# Altium PCB Spektrop2_Processor_Board_V1.PcbDoc (part 3 of 4) (continued)
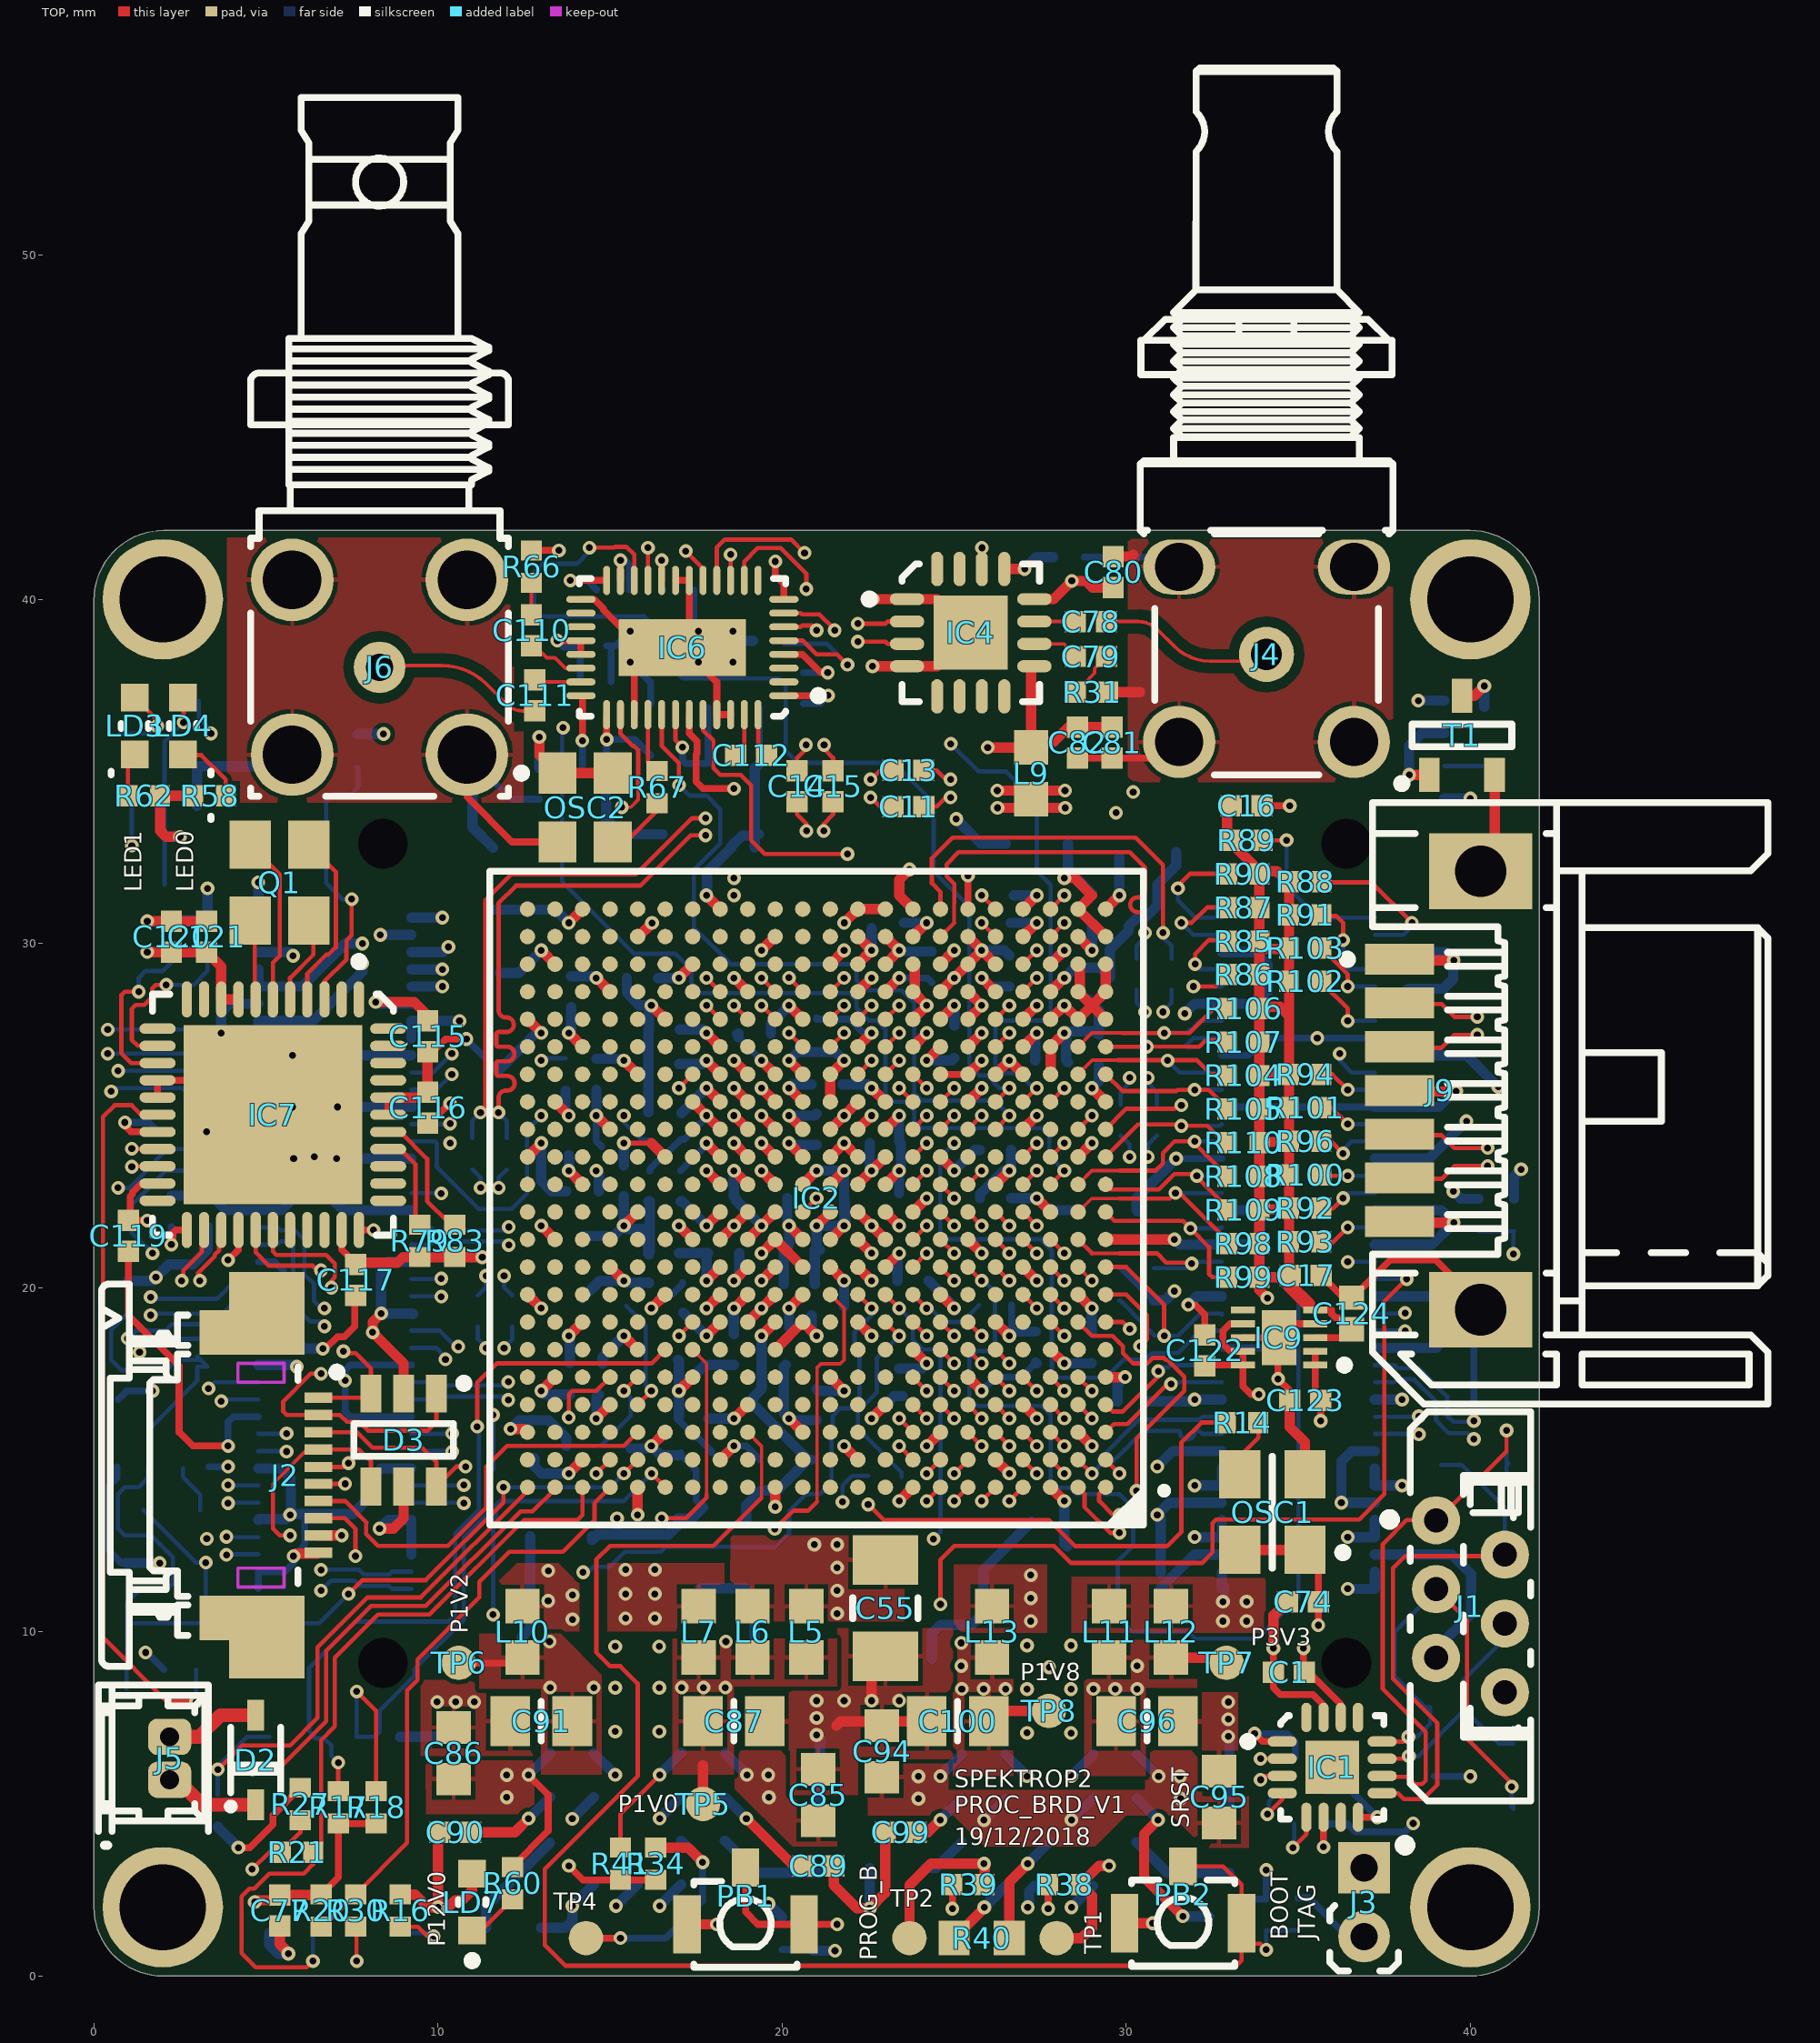
[diagram p0: TOP view]
## Nets (pads, with @x,y where several pads share a name; then routed paths per layer and width w, separated by ;. In a path a pad name is that pad's centre, name@x,y a point inside that pad or via, vN(x,y) a via of type N, cw(c..) or ccw(c..) an arc to the next point about the centre after c; other vN are vias at no path point) (continued)
  other v1: 27.115,7.065 28.395,7.06 15.15,7.105 16.43,7.1 32.965,7.46 21,7.5 9.975,7.961 10.513,7.961 11.05,7.961 32.965,7.96 21,8 21.8,8 23.4,8 27.115,8.335 28.395,8.335 15.15,8.375 16.43,8.375 27.76,8.97 15.15,9.575 16.425,9.575 27.115,9.605 28.395,9.605 17.564,38.171 18.564,38.171
GND_ADC: C102.2 C103.2 IC2.K11 IC2.L11 IC2.M11 IC2.M12 L2.1 | length 8.1
  TOP w0.3: IC2.M12@20.599,23 v1(20.999,23.4) ; v1(20.999,21.8) IC2.L11@21.399,22.2 ; IC2.K11@21.399,21.4 v1(21.799,21.8) ; IC2.M11@21.399,23 v1(21.799,23.4)
  BTM w0.3: C102.2@20.95,20.1 C103.2@20.95,21.1 C103.2@21.1,21.1 ; C103.2@20.999,21.149 v1(20.999,21.8) v1(21.799,21.8) 21.798,22.6 21.798,22.649 21.801,22.597 21.849,21.803 v1@21.849,21.8 ; v1(20.999,23.4) v1(21.799,23.4) L2.1@21.799,22.65
GS12281_GPIO0: IC2.P6 IC6.36 | length 18.7
  TOP w0.125: IC6.36@17.7,36.65 17.7,36.2 18,35.9 18,35.1 18.2,34.9 18.8,34.9 19.1,34.6 19.1,33 19.5,32.6 v1(21.9,32.6) ; IC2.P6@25.399,24.6 v1(25.799,25)
  L2 w0.125: v1(21.9,32.6) 22.6,32.6 23.5,31.7 25.161,31.7 25.362,31.499 25.362,26.011 25.362,25.437 v1(25.799,25)
GS12281_GPIO1: IC2.P5 IC6.33 | length 21.2
  TOP w0.125: IC6.33@16.5,36.65 16.5,35.741 17,35.241 v1(17,34.6) ; IC2.P5@26.199,24.6 v1(26.599,25)
  BTM w0.125: v1(17,34.6) 17.3,34.3 17.8,34.3 18.2,33.9 18.2,32.9 17.437,32.137 17.437,30.463 18.5,29.4 22,29.4 22.162,29.238 22.162,28.924 22.449,28.637 23.474,28.637 23.837,28.275 23.837,25.649 24.049,25.437 26.162,25.437 v1(26.599,25)
GS12281_GPIO2: IC2.R5 IC6.18 | length 30.7
  TOP w0.125: v1(14.4,41.5) 15.117,41.5 15.139,41.523 15.478,41.523 15.7,41.3 IC6.18@15.7,40.55 ; IC2.R5@26.199,25.4 v1(26.599,25.8)
  BTM w0.125: v1(14.4,41.5) 14.4,41.4 14.033,41.033 13.033,41.033 12.8,40.8 12.8,39.7 13,39.5 16,39.5 16.5,39 16.5,38.3 17.1,37.7 19.9,37.7 20.1,37.5 20.1,35.6 20.45,35.25 23.25,35.25 24.4,34.1 24.4,32.1 25.437,31.063 25.437,26.449 25.724,26.162 25.949,26.162 26.312,25.8 v1(26.599,25.8)
GS12281_GPIO3: IC2.R4 IC6.17 | length 29.2
  TOP w0.125: IC6.17@16.1,40.55 v1(16.1,41.5) ; IC2.R4@26.999,25.4 v1(27.399,25.8)
  L2 w0.125: v1(16.1,41.5) 16.1,40.9 16.3,40.7 20.3,40.7 20.312,40.712 21.512,40.712 21.6,40.8 23.6,40.8 24.9,39.5 v1(24.9,35.8)
  BTM w0.125: v1(24.9,35.8) 25.7,35 26.5,35 27.4,34.1 27.4,32.1 27.8,31.7 27.8,27.9 27.662,27.762 26.362,27.762 26.2,27.6 26.2,26.486 26.449,26.237 26.862,26.237 27.299,25.8 v1(27.399,25.8)
GS12281_nCS: IC2.M4 IC6.10 | length 26.2
  TOP w0.125: IC6.10@18.9,40.55 18.9,41.1 19.288,41.488 19.961,41.488 20.7,40.748 v1(20.7,40.3) ; IC2.M4@26.999,23 v1(27.399,23.4)
  L2 w0.125: v1(20.7,40.3) 19.2,38.8 19.2,36.336 21.836,33.7 23.4,33.7 24.6,32.5 25.5,32.5 26.2,31.8 26.2,29.3 27,28.5 27,23.799 v1(27.399,23.4)
GS12281_SCLK: IC2.M3 IC6.13 | length 33.7
  TOP w0.125: v1(17.2,41.4) v1(17.2,41.4) 17.7,40.902 IC6.13@17.7,40.55 ; IC2.M3@27.799,23 v1(28.199,23.4)
  L5 w0.125: v1@13.631,36.431 v1(13.631,36.269) 14.463,37.1 15.7,37.1 16.7,38.1 16.7,39.6 17.2,40.1 v1(17.2,41.4)
  BTM w0.125: v1(13.631,36.269) 13.6,36.237 13.6,31.8 15.7,29.7 16.9,29.7 17.362,29.238 17.362,28.838 17.638,28.562 21.949,28.562 22.162,28.35 22.162,28.124 22.524,27.762 22.749,27.762 23,27.511 23,25.6 23.2,25.4 23.573,25.4 23.837,25.136 23.837,24.849 24.049,24.637 27.536,24.637 27.762,24.411 27.762,23.837 v1(28.199,23.4) ; v1@17.2,41.35 v1(17.2,41.4)
GS12281_SDIN: IC2.N4 IC6.11 | length 29.9
  TOP w0.125: IC6.11@18.5,40.55 v1(18.5,41.3) ; IC2.N4@26.999,23.8 v1(27.399,24.2)
  L2 w0.125: v1(18.5,41.3) v1@18.6,41.3 ; v1@18.6,41.252 v1@18.6,41.3 ; v1(27.399,24.2) 27.8,24.6 27.8,34.697 27.75,34.747 27.75,38.95 28.9,40.1 28.9,40.8 28.778,40.922 27.634,40.922 27.208,40.495 26.887,40.495 26.882,40.5 24.4,40.5 23.8,41.1 21,41.1 20.862,40.962 20.489,40.962 19.952,41.5 19.5,41.5 19.3,41.3 v1@18.6,41.3
GS12281_SDOUT: IC2.N3 IC6.12 | length 35
  TOP w0.125: IC6.12@18.112,40.562 IC6.12@18.1,40.55 18.1,41.5 18.338,41.738 20.262,41.738 v1(20.65,41.35) ; IC2.N3@27.799,23.8 v1(28.199,24.2)
  L2 w0.125: v1(20.65,41.35) 23.904,41.35 24.254,41 26.617,41 26.887,41.27 27.208,41.27 27.231,41.246 28.954,41.246 29.6,40.6 29.6,34.452 29.836,34.216 29.836,34.212 33,31.048 33,27.534 30.866,25.4 28.6,25.4 28.199,24.999 v1(28.199,24.2)
INIT_B: IC2.T8 R8.2 | length 24.7
  TOP w0.125: IC2.T8@23.799,26.2 v1(24.199,25.8)
  L5 w0.1: v1(12.999,26.6) 12.999,25.899 12.9,25.8 10.1,25.8 9.7,25.4 9.7,23.9 9.9,23.7 12.597,23.7 13.348,22.95 21.144,22.95 21.214,22.88 23.628,22.88 23.78,23.032 23.78,25.38 v1(24.199,25.8)
  BTM w0.125: v1(12.999,26.6) 13.062,26.663 R8.2@13.7,26.663 ; v1(24.199,25.8) v1@24.309,25.69
LED0: IC2.P7 T4.1 | length 32.2
  TOP w0.125: IC2.P7@24.599,24.6 v1(24.999,25)
  L2 w0.125: v1(1.1,32.842) 1.758,33.5 6.9,33.5 7.2,33.8 8.01,33.8 8.022,33.813 9.387,33.813 10.7,32.5 19.4,32.5 21.438,30.462 21.438,30.449 21.725,30.162 21.949,30.162 22.162,29.95 22.162,25.638 22.4,25.4 24.599,25.4 v1(24.999,25)
  BTM w0.125: v1(1.1,32.842) T4.1@1.1,34
LED1: IC2.R7 T5.1 | length 32
  TOP w0.125: IC2.R7@24.599,25.4 v1(24.999,25.8)
  L2 w0.125: v1(3.4,36.1) 3.4,34.7 4.2,33.9 6.6,33.9 7,34.3 9.6,34.3 10.3,33.6 17,33.6 17.5,34.1 19.15,34.1 20.725,32.525 21.375,32.525 22,31.9 22.9,31.9 23.5,31.3 24.4,31.3 24.6,31.1 24.6,27.5 24.999,27.101 v1(24.999,25.8)
  BTM w0.125: T5.1@3.05,37.05 3.05,36.55 3.4,36.2 v1(3.4,36.1)
MGT_RX0_C_N: C12.2 IC2.AB7 | length 11.7
  TOP w0.125: IC2.AB7@24.599,31 24.599,31.501 24.35,31.75 24.35,32.476 24.949,33.075 30.276,33.075 31.069,32.282 v1(31.069,30.311)
  BTM w0.125: v1(31.069,30.311) 31.069,30.174 31.314,29.929 C12.2@31.314,29.556
MGT_RX0_C_P: C10.2 IC2.AA7 | length 11.7
  TOP w0.1: 24.999,30.6 24.999,31.165
  TOP w0.125: IC2.AA7@24.599,30.2 24.999,30.6 ; 24.999,31.165 24.999,31.731 24.775,31.955 24.775,32.3 25.125,32.65 30.1,32.65 30.544,32.206 30.544,31.6 30.544,31.55 cw(c30.331,31.55) 30.331,31.337 30.326,31.337 ccw(c30.326,31.125) 30.114,31.125 ccw(c30.326,31.125) 30.326,30.912 30.331,30.912 cw(c30.331,30.7) 30.544,30.7 v1(30.544,30.311)
  BTM w0.125: C10.2@30.298,29.556 30.298,29.929 30.544,30.174 v1(30.544,30.311)
MGT_RX0_N: C12.1 J9.3 | length 15.3
  TOP w0.125: J9.3@38.1,26.97 39.162,26.97 39.535,27.343 v1(40.2,27.343)
  L5 w0.1: v1(31.069,28.011) 30.956,28.124 30.956,29.156 31.7,29.9 32.9,29.9 33.5,29.3 36.8,29.3 38.6,27.5 38.9,27.5 39,27.5 cw(c39,27.3) 39.2,27.3 39.2,27.298 ccw(c39.4,27.298) 39.4,27.098 ccw(c39.4,27.298) 39.6,27.298 39.6,27.3 cw(c39.8,27.3) 39.8,27.5 40.043,27.5 v1(40.2,27.343)
  BTM w0.125: v1(31.069,28.011) 31.069,28.038 31.314,28.284 C12.1@31.314,28.656
MGT_RX0_P: C10.1 J9.2 | length 15.3
  TOP w0.125: J9.2@38.1,28.24 39.162,28.24 39.535,27.868 v1(40.2,27.868)
  L5 w0.1: v1(30.544,28.011) 30.656,28.124 30.656,29.28 31.576,30.2 33.024,30.2 33.624,29.6 36.924,29.6 38.724,27.8 40.133,27.8 v1(40.2,27.868)
  BTM w0.125: C10.1@30.298,28.656 30.298,28.284 30.544,28.038 v1(30.544,28.011)
MGT_TX0_C_N: C9.1 IC2.AB3 | length 7.9
  TOP w0.125: IC2.AB3@27.799,31 v1(28.199,31.4)
  L2 w0.1: v1(28.199,31.4) 28.366,31.4 29.917,29.849 29.917,26.811 30.623,26.105 v1(30.623,26.1)
  BTM w0.125: v1(30.623,26.1) 30.623,25.95 30.884,25.689 C9.1@30.884,25.317
MGT_TX0_C_P: C8.1 IC2.AA3 | length 7.9
  TOP w0.125: IC2.AA3@27.799,30.2 v1(28.199,30.6) ; v1(30.098,26.1) v1@30.148,26.1
  L2 w0.1: v1(28.199,30.6) 28.735,30.6 29.517,29.817 29.517,29.6 29.517,29.42 29.537,29.4 29.617,29.32 29.617,29.08 29.537,29 29.517,29 29.245,29 29.165,28.92 29.165,28.68 29.245,28.6 29.517,28.6 29.597,28.52 29.597,28.28 29.517,28.2 29.537,28.2 29.517,28.18 29.517,27.9 29.517,26.646 v1@30.081,26.082
  BTM w0.125: C8.1@29.837,25.317 29.837,25.689 30.098,25.95 v1(30.098,26.1)
MGT_TX0_N: C9.2 J9.5 | length 16.7
  TOP w0.125: J9.5@38.1,24.43 39.162,24.43 39.535,24.057 v1(40.5,24.057)
  L2 w0.1: v1(30.623,23.8) 30.511,23.688 30.511,22.489 30.8,22.2 31.409,22.2 31.609,22.4 32.1,22.4 32.22,22.4 32.3,22.48 32.3,22.678 32.38,22.758 32.62,22.758 32.7,22.678 32.7,22.48 32.78,22.4 33.9,22.4 34.969,22.4 35.481,21.888 36.043,21.888 36.28,22.125 36.59,22.125 36.817,21.899 37.261,21.899 39.363,24 40.443,24 v1(40.5,24.057)
  BTM w0.125: v1(30.623,23.8) 30.623,24.156 C9.2@30.884,24.417
MGT_TX0_P: C8.2 J9.6 | length 16.7
  TOP w0.125: J9.6@38.1,23.16 39.162,23.16 39.535,23.532 v1(40.5,23.532)
  L2 w0.1: v1(30.098,23.8) 30.211,23.688 30.211,22.365 30.676,21.9 31.513,21.9 31.71,22.097 31.73,22.097 31.733,22.1 34.844,22.1 35.357,21.588 36.067,21.588 36.28,21.375 36.733,21.375 36.956,21.599 37.385,21.599 39.487,23.7 40.327,23.7 40.495,23.532 v1(40.5,23.532)
  BTM w0.125: C8.2@29.837,24.417 30.098,24.156 v1(30.098,23.8)
MGT_TX1_C_N: C13.1 IC2.Y4 | length 8.4
  TOP w0.125: C13.1@24.117,35.029 24.489,35.029 24.752,34.767 v1(24.893,34.767) ; IC2.Y4@26.999,29.4 v1(27.399,29.8)
  L2 w0.1: v1(24.893,34.767) 24.96,34.7 25.605,34.7 25.78,34.524 25.78,33.244 26.8,32.224 26.8,29.75 27,29.55 27.149,29.55 v1(27.399,29.8)
MGT_TX1_C_P: C11.1 IC2.W4 | length 8.4
  TOP w0.125: C11.1@24.117,33.98 24.489,33.98 24.752,34.242 v1(24.893,34.242) ; IC2.W4@26.999,28.6 v1(27.399,29)
  L2 w0.1: v1(24.893,34.242) 25.051,34.4 25.375,34.4 25.48,34.295 25.48,33.12 26.5,32.1 26.5,29.625 26.876,29.25 27.149,29.25 v1(27.399,29)
MGT_TX1_N: C13.2 IC4.3 | length 9.6
  TOP w0.125: v1(22.2,38.768) 23.004,38.768 23.066,38.706 IC4.3@23.629,38.706 ; v1(22.568,34.767) 22.582,34.767 22.844,35.029 C13.2@23.217,35.029
  L2 w0.1: v1(22.2,38.768) 22.263,38.831 23.069,38.831 23.656,38.244 23.656,37.2 23.656,36.968 23.676,36.948 23.756,36.868 23.756,36.628 23.676,36.548 23.656,36.548 23.236,36.548 23.156,36.468 23.156,36.228 23.236,36.148 23.656,36.148 23.676,36.148 23.756,36.068 23.756,35.828 23.676,35.748 23.656,35.728 23.656,35.348 23.656,35.148 23.275,34.767 v1(22.568,34.767) v1@22.443,34.642
MGT_TX1_P: C11.2 IC4.2 | length 9.6
  TOP w0.125: v1(22.2,39.293) 23.004,39.293 23.066,39.356 IC4.2@23.629,39.356 ; v1(22.568,34.242) 22.582,34.242 22.844,33.98 C11.2@23.217,33.98
  L2 w0.1: v1(22.2,39.293) 22.263,39.231 23.235,39.231 24.056,38.41 24.056,35.124 23.399,34.467 22.793,34.467 v1(22.568,34.242)
MGT_TX2_C_N: C15.1 IC2.AB5 | length 8.2
  TOP w0.125: v1(21.206,33.27) 21.206,33.474 21.48,33.747 C15.1@21.48,34.12 ; v1(25.799,31.4) IC2.AB5@26.199,31
  L5 w0.1: v1(21.206,33.27) 21.106,33.17 21.106,32.476 21.582,32 22.682,32 23.109,31.573 24.2,31.573 24.32,31.573 24.4,31.653 24.4,31.939 24.48,32.019 24.72,32.019 24.8,31.939 24.8,31.653 24.88,31.573 25.2,31.573 25.4,31.573 25.625,31.573 v1(25.799,31.4)
MGT_TX2_C_P: C14.1 IC2.AA5 | length 8.2
  TOP w0.125: C14.1@20.432,34.121 20.432,33.749 20.706,33.475 v1(20.706,33.27) ; v1(25.799,30.6) IC2.AA5@26.199,30.2
  L5 w0.1: v1(20.706,33.27) 20.806,33.17 20.806,32.352 21.458,31.7 22.558,31.7 22.985,31.273 25.125,31.273 v1(25.799,30.6)
MGT_TX2_N: C15.2 IC6.7 | length 6.4
  TOP w0.125: IC6.7@20.05,39.6 20.537,39.6 20.575,39.562 21.086,39.562 21.525,39.123 v1(21.525,39.1) ; v1(21.218,35.77) 21.218,35.653 21.48,35.392 C15.2@21.48,35.021 C15.2@21.48,35.02
  L2 w0.1: v1(21.218,35.77) 21.068,35.92 21.068,35.926 20.993,36.001 20.993,36.131 20.8,36.324 20.8,38.276 21.4,38.876 21.4,38.975 v1(21.525,39.1)
MGT_TX2_P: C14.2 IC6.6 | length 6.4
  TOP w0.125: IC6.6@20.05,39.2 20.537,39.2 20.575,39.237 20.863,39.237 v1(21,39.1) ; C14.2@20.432,35.021 20.432,35.394 20.693,35.655 v1(20.693,35.77)
  L2 w0.1: v1(20.693,35.77) 20.693,36.007 20.5,36.2 20.5,36.4 20.5,36.8 20.5,37.12 20.42,37.2 20.099,37.2 20.019,37.28 20.019,37.52 20.099,37.6 20.42,37.6 20.5,37.68 20.5,38 20.5,38.2 20.5,38.4 21.1,39 v1(21,39.1)
MGTAVCC: C46.1 C47.1 C48.1 IC2.U4 IC2.U6 IC2.U8 IC2.W5 IC2.W9 L7.2 | length 5.6
  TOP w0.3: IC2.W9@22.999,28.6 v1(23.399,29) ; IC2.U8@23.799,27 v1(24.199,27.4) ; IC2.U6@25.399,27 v1(25.799,27.4) ; v1(25.8,28.999) IC2.W5@26.199,28.6 ; IC2.U4@26.999,27 v1(27.399,27.4)
  BTM w0.2: v1(23.399,29) 24.217,29 C47.1@24.349,28.868 ; v1@27.349,27.35 v1(27.399,27.4)
  BTM w0.3: v1(25.8,28.999) 26.05,28.75 C46.1@26.6,28.75 ; C48.1@27.349,26.6 v1@27.349,27.35
  other v1: 15.45,10.394 16.3,10.394 15.45,11.1 16.3,11.1 15.45,11.806 16.3,11.806
MGTAVTT: C18.1 C19.1 C20.1 IC2.AA2 IC2.AA4 IC2.AA8 IC2.AB1 IC2.AB6 IC2.Y7 L3.1 L10.2 | length 7.1
  TOP w0.2: IC2.AB6@25.399,31 v1(25.399,31.974)
  TOP w0.3: IC2.AA8@23.799,30.2 v1(24.199,30.6) ; IC2.Y7@24.599,29.4 v1(24.999,29.8) ; IC2.AA4@26.999,30.2 v1(27.399,30.6) ; IC2.AA2@28.599,30.2 v1(29,29.801) ; IC2.AB1@29.399,31 v1(29.799,31.4)
  BTM w0.2: C18.1@23.499,30.57 C18.1@23.528,30.6
  BTM w0.3: C18.1@23.528,30.6 C18.1@23.65,30.6 v1(24.199,30.6) ; C19.1@26.634,30.6 26.7,30.6 v1(27.399,30.6) ; v1(29,29.801) C20.1@29,30.55 ; v1(29.799,31.4) L3.1@29.799,32.5
  other v1: 13.908,10.361 13.2,10.9 13.908,11.067 13.202,11.773
MGTAVTTRCAL: IC2.V7 R13.1 | length 1.2
  TOP w0.3: IC2.V7@24.599,27.8 v1(24.999,28.2)
  BTM w0.3: R13.1@24.999,27.616 24.999,27.67 v1(24.999,28.2) v1@25.036,28.163
MGTRREF: IC2.U7 R13.2 | length 1.5
  TOP w0.3: v1(24.199,26.6) IC2.U7@24.599,27
  BTM w0.3: v1@24.239,26.64 v1(24.199,26.6) 24.9,26.6 24.922,26.6 24.976,26.654 R13.2@24.999,26.676
MGTVCCAUX: C58.1 IC2.W3 L3.2 | length 6.8
  TOP w0.3: IC2.W3@27.799,28.6 v1(28.199,29)
  BTM w0.3: v1@28.249,28.95 v1(28.199,29) 28.5,29.3 29.236,29.3 C58.1@29.418,29.118 29.518,29.018 29.518,29.118 29.518,29.818 30.069,30.369 30.069,30.508 30.347,30.786 30.586,30.786 30.9,31.1 30.9,31.71 31.45,32.26 L3.2@31.45,32.651
NetC78_2: C78.2 IC4.11 | length 1.2
  TOP w0.1: IC4.11@27.329,39.356 C78.2@28.522,39.356 C78.2@28.554,39.356
NetC79_1: C79.1 R31.2 | length 1.4
  TOP w0.1: R31.2@28.53,37.3 28.93,37.7 28.93,37.714 29.076,37.86 29.076,37.921 29.082,37.926 29.082,38 C79.1@29.422,38.34
NetC79_2: C79.2 IC4.10 | length 1.4
  TOP w0.1: IC4.10@27.329,38.706 28.188,38.706 28.538,38.356 C79.2@28.554,38.34
NetC80_1: C80.1 C81.1 C82.1 IC4.9 IC4.12 L9.2 | length 15.2
  TOP w0.3: v1(25.974,35.694) L9.2@27.235,35.694 ; IC4.9@27.329,38.056 27.235,37.962 L9.2@27.235,35.694 ; IC4.12@27.329,40.006 27.888,40.006 v1(28.416,40.534) 28.829,40.534 29.019,40.344 C80.1@29.619,40.344 ; C81.1@29.591,36.292 C82.1@28.582,36.292 28.323,36.292 27.891,35.86 27.401,35.86 L9.2@27.235,35.694
  L2 w0.3: v1(25.974,35.694) 25.974,38.883 27.07,39.979 27.861,39.979 v1(28.416,40.534) cw(c28.47,40.481) v1@28.47,40.556
NetC89_2: C89.2 IC5.E3 | length 3.1
  TOP w0.3: v1(18.96,4.575) 20.335,3.2 C89.2@20.6,3.2
  BTM w0.3: IC5.E3@18.335,5.2 v1(18.96,4.575)
NetC90_2: C90.2 IC5.A3 | length 2.7
  TOP w0.3: C90.2@10.95,4.176 12.231,4.176 v1(12.63,4.575)
  BTM w0.3: v1(12.63,4.575) IC5.A3@13.255,5.2
NetC98_2: C98.2 IC8.E3 | length 5.1
  TOP w0.3: v1(30.925,4.535) 30.516,4.126 30.516,2.861 v1(31.641,1.735)
  BTM w0.3: IC8.E3@30.3,5.16 v1(30.925,4.535) ; v1(31.641,1.735) 32.33,1.735 C98.2@32.4,1.735
NetC99_2: C99.2 IC8.A3 | length 1.7
  TOP w0.3: C99.2@23.89,4.173 24.233,4.173 v1(24.595,4.535)
  BTM w0.3: v1(24.595,4.535) IC8.A3@25.22,5.16
NetC112_1: C112.1 IC6.40 | length 1.5
  TOP w0.125: IC6.40@19.3,36.65 19.3,35.477 19.546,35.477 C112.1@19.633,35.477
NetC112_2: C112.2 IC6.39 | length 1.2
  TOP w0.125: C112.2@18.733,35.477 18.9,35.644 IC6.39@18.9,36.65
NetC114_2: C114.2 IC6.5 | length 4.5
  TOP w0.125: IC6.5@20.1,38.75 IC6.5@20.05,38.8 20.6,38.8 21,38.4 21.6,38.4 v1(21.9,38.1)
  BTM w0.125: C114.2@20.1,38.75 C114.2@20.05,38.8 20.05,38.713 21.287,38.713 v1(21.9,38.1)
NetIC5_A4: IC5.A4 R32.2 | length 3.2
  BTM w0.3: R32.2@11.4,1.4 11.4,2.021 IC5.A4@13.25,3.871
NetIC5_E4: IC5.E4 R33.2 | length 3.1
  BTM w0.3: IC5.E4@18.335,3.93 19.265,3 R33.2@21.09,3
NetIC6_32: IC6.32 R67.2 | length 1.7
  TOP w0.125: IC6.32@16.1,36.65 16.1,35.275 R67.2@16.361,35.015
NetIC7_4: IC7.4 Q1.4 | length 5.2
  TOP w0.125: IC7.4@6.2,28.375 6.2,29.124 6.751,29.675 6.816,29.675 7.03,29.889 7.03,32.079 Q1.4@6.243,32.867
NetIC7_5: IC7.5 Q1.3 | length 2.1
  TOP w0.125: IC7.5@5.7,28.375 5.7,29 6.375,29.675 Q1.3@6.375,30.2
NetIC7_6: IC7.6 Q1.1 | length 4.9
  TOP w0.125: Q1.1@4.543,32.867 5.401,32.008 5.401,29.642 5.2,29.441 IC7.6@5.2,28.375
NetIC7_7: IC7.7 Q1.2 | length 1.8
  TOP w0.125: Q1.2@4.675,30.2 4.675,28.4 IC7.7@4.7,28.375
NetIC8_A4: IC8.A4 R36.2 | length 1.4
  BTM w0.3: R36.2@24.15,3.14 24.47,3.14 IC8.A4@25.22,3.89
NetIC8_C4: IC8.C4 R40.2 | length 3.3
  TOP w0.3: R40.2@26.6,1.1 26.6,2.73 v1(27.135,3.265)
  BTM w0.3: v1(27.135,3.265) IC8.C4@27.76,3.89
NetIC8_E4: IC8.E4 R37.2 | length 3.1
  BTM w0.3: IC8.E4@30.3,3.89 31.19,3 R37.2@33,3
NetJ3_1: J3.1 R21.2 R27.1 | length 36.9
  TOP w0.125: v1(4.6,3.1) 5.1,3.6 R21.2@5.43,3.6 6,4.17 R27.1@6,4.53
  L2 w0.1: v1(4.6,3.1) 6.7,1 9.25,1 9.475,0.775 13.225,0.775 13.75,0.25 23.05,0.25 23.3,0.5 32.1,0.5 33.9,2.3 35,2.3 35.846,3.146 J3.1@36.909,3.146
NetLD1_1: LD1.1 R10.1 | length 1.1
  BTM w0.125: R10.1@39.242,35.157 LD1.1@40.338,35.157
NetLD1_2: LD1.2 T1.3 | length 1.4
  TOP w0.3: T1.3@39.753,37.197 40.12,37.197 v1(40.403,37.481)
  BTM w0.3: LD1.2@40.403,36.872 v1(40.403,37.481)
NetLD2_1: LD2.1 R22.1 | length 1.4
  BTM w0.125: R22.1@2.585,14.759 2.585,14.49 3.09,13.985 LD2.1@3.09,13.535
NetLD2_2: LD2.2 T2.3 | length 3.4
  BTM w0.125: LD2.2@1.44,13.535 2.964,12.01 v1(3.25,12.01) T2.3@3.25,11.05
NetLD3_1: LD3.1 R62.1 | length 1.3
  TOP w0.125: R62.1@0.985,34.295 0.985,35.296 LD3.1@1.186,35.496
NetLD3_2: LD3.2 T5.3 | length 2.3
  TOP w0.125: LD3.2@1.186,37.146 1.836,36.496 v1(1.836,36.321)
  BTM w0.125: T5.3@0.75,36.1 1.614,36.1 v1(1.836,36.321)
NetLD4_1: LD4.1 R58.1 | length 2
  TOP w0.125: LD4.1@2.586,35.471 3.12,35.471 3.83,34.761 R58.1@3.83,34.295
NetLD4_2: LD4.2 T4.3 | length 5.7
  TOP w0.125: LD4.2@2.586,37.121 2.605,37.102 v1(2.605,36.421)
  BTM w0.125: T4.3@2.05,31.7 2.05,35.866 v1(2.605,36.421)
NetLD7_1: LD7.1 R60.1 | length 1.5
  TOP w0.125: LD7.1@10.991,1.322 11.252,1.322 R60.1@12.16,2.23
NetOSC1_3: OSC1.3 R14.2 | length 1.7
  TOP w0.125: OSC1.3@33.293,14.578 33.293,15.101 33.838,15.647 R14.2@33.838,16.082
NetOSC2_3: OSC2.3 R67.1 | length 1.9
  TOP w0.125: OSC2.3@15.075,32.95 15.455,32.95 16.361,33.855 R67.1@16.361,34.075
nSDO0: C110.2 R66.1 | length 0.9
  TOP w0.1: C110.2@12.712,39.55 R66.1@12.712,40.48
nSDO0_C: C110.1 IC6.26 | length 1.6
  TOP w0.1: C110.1@12.812,38.65 13.161,38.3 13.4,38.3 13.7,38 IC6.26@14.15,38
P0V9: C16.2 C17.2 C124.2 IC9.3 IC9.5 R85.2 R86.2 R87.2 R88.2 R89.2 R90.2 R91.2 R92.2 R93.2 R94.2 R95.2 R96.2 R97.2 R98.2 R99.2 R100.2 R101.2 R102.2 R103.2 R104.2 R105.2 R106.2 R107.2 R108.2 R109.2 R110.2 | length 41.2
  TOP w0.2: IC9.3@35.488,18.55 36.55,18.55 36.588,18.55 36.588,18.618 C124.2@36.576,18.629 ; IC9.5@35.488,19.35 35.965,19.35 35.965,19.24 36.075,19.13 36.17,19.13 C124.2@36.5,18.8
  TOP w0.3: R89.2@32.93,33 R89.2@32.93,33.04 ; C16.2@32.95,34 32.93,34 R89.2@32.93,33.04 ; v1(34.1,19.7) 33.87,19.93 R99.2@33.87,20.3 ; C17.2@34.73,20.568 R93.2@34.73,21.333 R92.2@34.73,22.088 ; C17.2@34.734,20.359 34.675,20.3 R99.2@33.87,20.3 ; C124.2@36.554,18.629 C124.2@36.576,18.629 ; R89.2@32.93,33.04 33,32.97 R90.2@33.87,32.1 ; R99.2@33.87,20.3 R98.2@33.87,21.277 R109.2@33.87,22.254 R109.2@33.87,22.267 ; R109.2@33.87,22.267 34.551,22.267 34.621,22.197 R92.2@34.73,22.088 ; R109.2@33.87,22.267 R108.2@33.87,23.231 R110.2@33.87,24.208 R110.2@33.87,24.233 ; R110.2@33.87,24.233 34.522,24.233 34.616,24.139 R96.2@34.73,24.025 ; R110.2@33.87,24.233 R105.2@33.87,25.185 R104.2@33.87,26.162 R104.2@33.87,26.2 ; R104.2@33.87,26.2 34.492,26.2 34.611,26.081 R94.2@34.73,25.963 ; R104.2@33.87,26.2 R107.2@33.87,27.138 R106.2@33.87,28.115 R106.2@33.87,28.167 ; R106.2@33.87,28.167 34.463,28.167 34.73,27.9 ; R106.2@33.87,28.167 R86.2@33.87,29.1 R85.2@33.87,29.838 ; R85.2@33.87,29.838 R103.2@34.73,29.838 ; R85.2@33.87,29.838 R85.2@33.87,30.069 R87.2@33.87,31.046 R90.2@33.87,32.023 R90.2@33.87,32.1 ; R90.2@33.87,32.1 34.375,32.1 34.703,31.772 34.73,31.745 R91.2@34.73,30.833 R103.2@34.73,29.867 R103.2@34.73,29.838 ; R92.2@34.73,22.088 R92.2@34.73,22.306 R100.2@34.73,23.28 R96.2@34.73,24.025 ; R96.2@34.73,24.025 R96.2@34.73,24.253 R101.2@34.73,25.227 R94.2@34.73,25.963 ; R94.2@34.73,25.963 R94.2@34.73,26.2 34.73,27.9 ; 34.73,27.9 R102.2@34.73,28.9 R103.2@34.73,29.838
  TOP w0.4: C17.2@34.734,20.359 34.75,20.344 C17.2@34.765,20.329 ; C17.2@34.765,20.359 C17.2@34.765,20.329 ; 35.3,19.5 34.765,20.035 C17.2@34.765,20.329
  L2 w0.2: v1(31.4,19.9) 31.5,20 33.8,20 v1(34.1,19.7)
  BTM w0.125: R95.2@29.8,20.57 R95.2@29.86,20.57
  BTM w0.2: R95.2@29.86,20.57 R97.2@30.8,19.63
  BTM w0.3: R97.2@30.8,19.63 31.13,19.63 v1(31.4,19.9)
P1V0: C21.1 C22.1 C23.1 C24.1 C25.1 C33.1 C34.1 C35.1 C36.1 C37.1 C38.1 C39.1 C55.1 C56.1 C57.1 IC2.G15 IC2.H12 IC2.H14 IC2.J9 IC2.J11 IC2.J13 IC2.J15 IC2.K10 IC2.L9 IC2.L15 IC2.M10 IC2.N9 IC2.N15 IC2.P10 IC2.R9 IC2.R15 L5.2 L6.2 | length 19.5
  TOP w0.3: v1(17.799,18.6) IC2.G15@18.199,19 ; v1(17.799,20.2) IC2.J15@18.199,20.6 ; v1(17.799,21.8) IC2.L15@18.199,22.2 ; v1(17.799,24.2) IC2.N15@18.199,23.8 ; v1(17.799,25.8) IC2.R15@18.199,25.4 ; v1(18.599,19.4) IC2.H14@18.999,19.8 ; v1(19.399,20.2) IC2.J13@19.799,20.6 ; v1(20.199,19.4) IC2.H12@20.599,19.8 ; IC2.J11@21.399,20.6 v1(21.799,20.2) ; IC2.K10@22.199,21.4 v1(22.599,21) ; IC2.M10@22.199,23 v1(22.599,23.4) IC2.N9@22.999,23.8 ; IC2.P10@22.199,24.6 v1(22.599,25) ; v1(22.599,25.8) IC2.R9@22.999,25.4 ; IC2.J9@22.999,20.6 v1(23.399,21) ; IC2.L9@22.999,22.2 v1(23.399,21.8)
  BTM w0.2: C39.1@17.05,23.4 17.1,23.45 v1@17.799,24.149 ; v1@22.597,21.002 v1(22.599,21) ; v1@23.349,21.05 v1(23.399,21)
  BTM w0.3: C37.1@16.999,21 C38.1@17.799,21 ; C34.1@17.049,22.51 17.089,22.51 17.124,22.474 v1(17.799,21.8) ; C22.1@17.075,25.075 v1(17.799,25.8) ; C35.1@17.124,19.274 v1(17.799,18.6) ; v1(17.799,20.2) C38.1@17.799,21 ; v1@17.799,24.149 v1(17.799,24.2) ; C38.1@17.85,21 C38.1@17.799,21 ; C33.1@18.599,18.65 v1(18.599,19.4) ; C25.1@20.199,18.85 v1(20.199,19.4) ; C56.1@21.75,25.9 22.499,25.9 v1(22.599,25.8) ; C36.1@21.799,19.45 v1(21.799,20.2) ; C57.1@22.549,24.2 22.549,23.45 v1(22.599,23.4) ; C23.1@23.35,20.2 23.35,20.95 v1(23.399,21)
  other v1: 21.6,10.532 21.6,11.2 21.6,11.868 20.932,12.536 21.6,12.536
P1V0_EN: IC5.D2 R41.2 | length 3.5
  TOP w0.125: R41.2@15.3,3.73 15.3,4.705 v1(16.44,5.845)
  BTM w0.3: v1(16.44,5.845) IC5.D2@17.065,6.47
P1V0_L: C87.2 C88.2 IC5.D1 IC5.E1 L5.1 L6.1 L7.1 TP5.1 | length 1.1
  TOP w0.3: TP5.1@17.7,5 17.7,6.125
  other v1: 17.08,8.38 17.715,8.38 18.35,8.38 18.365,9.716
P1V2: C91.2 C92.2 IC5.A1 IC5.B1 L9.1 L10.1 TP6.1 | length 6.2
  TOP w0.2: TP6.1@10.2,9.1 TP6.1@10.6,9.1 10.615,9.085 L10.1@12.454,9.085
  TOP w0.3: v1(26.251,34.444) 27.235,34.444 v1(28.219,34.444) ; v1(26.257,33.941) 27.235,33.941 v1(28.225,33.941)
  other v1: 13.255,8.38 14.525,8.38 13.24,9.716
P1V2_EN: IC5.B2 R38.2 TP1.1 | length 22.5
  TOP w0.3: TP1.1@27.975,1.1 28.7,1.1 29,1.4 29,2.33 R38.2@28.67,2.66 29.21,3.2 v1(29.5,3.2)
  L5 w0.1: v1(15.15,5.845) 15.695,5.3 18.8,5.3 19.5,4.6 24.13,4.6 25.83,6.3 27.6,6.3 27.8,6.1 27.8,4.1 28.1,3.8 28.9,3.8 v1(29.5,3.2)
  BTM w0.3: IC5.B2@14.525,6.47 v1(15.15,5.845)